# KiCad board MTMatrixV3.kicad_pcb (continued)
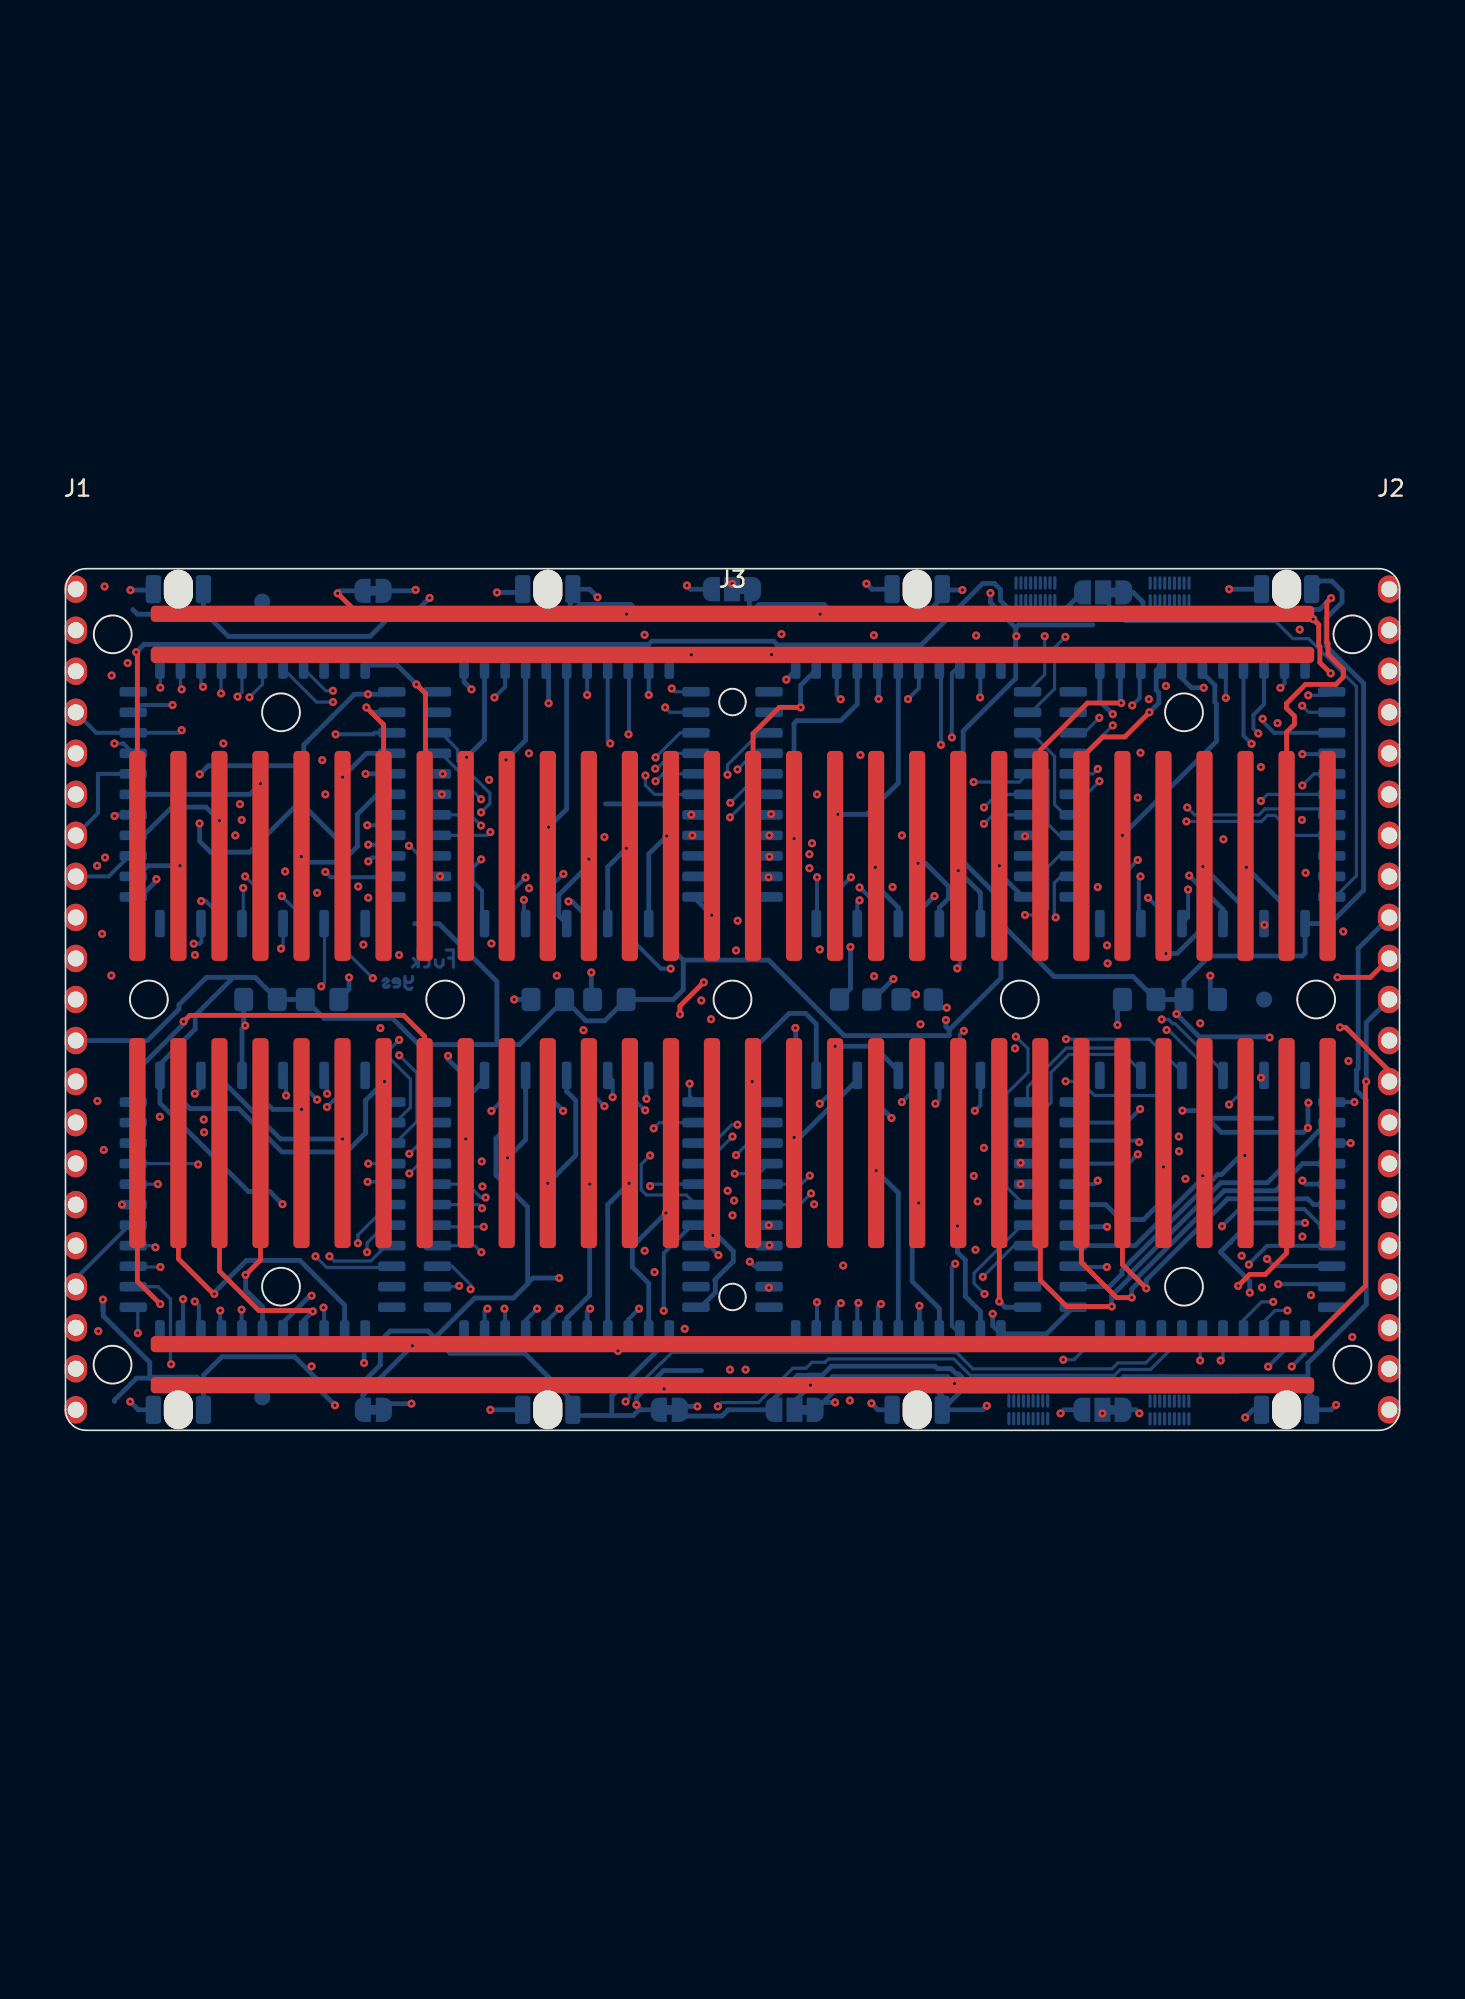
[diagram p0: board, top side]
## Routing (per net, layer and track width the routed paths; a pad name or vN(x,y) marks a point on that pad's centre or on a via; arc(x,y) is an arc through that point) (continued)
7: length 11.3
  Top w0.3: J3.7 19.68,43.68 v1(18.62,44.75)
  Bottom w0.3: A.19 18.92,44.45 v1(18.62,44.75)
8: length 14.5
  Top w0.3: J3.8 22.28,35.61 22.28,45.62 v1(21.72,46.18)
  Bottom w0.3: A.17 20.52,47.37 v1(21.72,46.18)
9: length 12.3
  Top w0.3: v1(24.82,41.66) 24.82,35.62 J3.9
  Bottom w0.3: B.41 25.93,42.77 v1(24.82,41.66)
10: length 12.3
  Top w0.3: v1(27.25,41.5) 27.25,35.61 J3.10
  Bottom w0.3: B.43 28.47,42.72 v1(27.25,41.5)
11: length 12.3
  Top w0.3: J3.11 29.9,35.61 v1(29.9,37.34)
  Bottom w0.3: v1(29.9,37.34) 31.01,38.46 B.1
12: length 5.2
  Top w0.3: v1(32.39,35.36) J3.12
  Bottom w0.3: v1(32.39,35.36) 32.39,35 30.53,33.14 30.53,31.86 B.23
13: length 5.7
  Top w0.3: J3.13 34.71,35.78 v1(34.71,36.03)
  Bottom w0.3: B.21 33.55,34.88 v1(34.71,36.03)
14: length 7.2
  Top w0.3: J3.14 37.2,35.82 v1(37.2,36.79)
  Bottom w0.3: B.19 36.09,35.68 v1(37.2,36.79)
15: length 5.2
  Top w0.3: J3.15 39.95,35.51 39.95,31.93 v1(39.99,31.89)
  Bottom w0.3: v1(39.99,31.89) 39.01,32.87 B.17
16: length 14.2
  Top w0.3: v1(45.49,44.75) 44.17,44.75 42.55,43.13 J3.16
  Bottom w0.3: v1(45.49,44.75) 45.49,46.12 46.46,47.08 C.41
17: length 15
  Top w0.3: v1(45.08,36.63) J3.17
  Bottom w0.3: C.43 49,44.95 47.98,43.93 45.26,43.93 45.08,43.76 v1(45.08,36.63)
18: length 14.5
  Top w0.3: v1(47.8,38.13) 47.62,37.96 J3.18
  Bottom w0.3: v1(47.8,38.13) 49.59,38.13 51.54,40.07 C.1
19: length 4.8
  Top w0.3: J3.19 50.11,35.51 v1(50.11,34.85)
  Bottom w0.3: C.23 51.54,32.36 50.11,33.78 v1(50.11,34.85)
20: length 5.5
  Top w0.3: J3.20 52.76,35.51 v1(52.76,35.1)
  Bottom w0.3: v1(52.76,35.1) 53.21,35.1 54.64,33.68 54.64,32.92 54.08,32.36 C.21
21: length 4.8
  Top w0.3: v1(55.24,34.65) J3.21
  Bottom w0.3: C.19 56.62,33.27 v1(55.24,34.65)
22: length 3.4
  Top w0.3: v1(57.79,34.95) J3.22
  Bottom w0.3: C.17 59.25,33.02 57.79,34.48 v1(57.79,34.95)
23: length 15.1
  Top w0.3: v1(65.33,45.03) 63.24,45.03 60.33,42.11 J3.23
  Bottom w0.3: v1(65.33,45.03) 65.28,45.08 65.28,47.37
24: length 14.8
  Top w0.3: v1(67.08,44.45) 65.55,42.93 64.19,42.93 62.86,41.61 J3.24
  Bottom w0.3: D.43 67.5,47.05 67.5,45.83 67.66,45.67 67.66,45.03 v1(67.08,44.45)
25: length 14.6
  Top w0.3: v1(65.4,36.83) J3.25
  Bottom w0.3: D.1 70.36,46.89 71.12,46.13 71.12,45.07 71.22,44.97 71.22,42.65 v1(65.4,36.83)
26: length 9.3
  Top w0.3: v1(68.1,29.51) 67.95,29.67 J3.26
  Bottom w0.3: v1(68.1,29.51) 68.79,29.51 70.36,31.08 D.23
27: length 5.3
  Top w0.3: J3.27 70.38,35.46 v1(70.38,34.9)
  Bottom w0.3: v1(70.38,34.9) 72.9,32.38 72.9,31.37
28: length 5.2
  Top w0.3: v1(73.08,34.85) 73.08,35.51 J3.28
  Bottom w0.3: D.19 75.44,32.49 v1(73.08,34.85)
29: length 33.5
  Top w0.3: J3.29 75.56,43.22 76.04,43.7 76.04,44.22 75.56,44.7 75.56,45.01 76.73,46.18 78.61,46.18 79.07,46.63 79.07,47.1 78.12,48.05 78.12,48.71 78.05,48.78 78.05,51.26 v1(78.32,51.52)
  Bottom w0.3: JP7.1 66.07,51.87 66.67,51.27 66.67,50.84 67,50.52 76.67,50.52 76.97,50.82 77.61,50.82 v1(78.32,51.52)
29_jumper: length 32.1
  Bottom w0.2: D.17 78.57,33.02 79.88,34.33 79.88,46.05 76.92,49.01 75.95,49.01 74.89,50.07 65.59,50.07 64.22,51.45 JP7.2
33: length 74.9
  Top w0.3: J3.33 4.45,9.23 v1(5.86,7.82)
  In2.Cu w0.3: v1(61.58,1.05) 61.45,0.92 55.9,0.92 53.27,3.55 50.89,3.55 49.28,1.93 49.28,1.73 48.42,0.87 34.2,0.87 31.68,3.4 24.14,3.4 21.67,0.93 12.75,0.93 v1(5.86,7.82)
  Bottom w0.3: JP5.3 61.8,1.27 v1(61.58,1.05)
34: length 22.2
  Top w0.3: v1(9.2,8.45) 9.16,8.45 6.98,10.62 J3.34
  Bottom w0.3: E.41 17.27,7.75 14.5,10.52 11.19,10.52 9.2,8.53 v1(9.2,8.45)
35: length 16.4
  Top w0.3: v1(15.31,7.36) 15.25,7.42 11.96,7.42 9.52,9.86 J3.35
  Bottom w0.3: E.43 14.73,6.79 v1(15.31,7.36)
36: length 12.6
  Top w0.3: J3.36 12.06,10.54 v1(11.15,9.62)
  Bottom w0.3: v1(11.15,9.62) 11.15,8.69 12.19,7.65 E.1
37: length 6.2
  Top w0.3: v1(14.61,19.86) J3.37
  Bottom w0.3: E.23 12.19,20.5 12.83,19.86 v1(14.61,19.86)
38: length 9.5
  Top w0.3: v1(17.14,18.03) J3.38
  Bottom w0.3: v1(17.14,18.03) 13.3,18.03 9.65,21.68 E.21
39: length 22.3
  Top w0.3: v1(19.74,21.59) 19.74,17.83 J3.39
  Bottom w0.3: 7.11,21.97 7.11,20.5 7.7,19.91 10.71,19.91 13.4,17.23 17.39,17.23 18.57,18.41 18.57,20.42 v1(19.74,21.59)
40: length 28.5
  Top w0.3: v1(7.31,25.31) 7.69,25.69 20.92,25.69 22.23,24.38 J3.40
  Bottom w0.3: v1(7.31,25.31) 7.31,25.16 4.19,22.05 E.17
41: length 4.7
  Top w0.3: v1(24.77,18.03) J3.41
  Bottom w0.3: F.41 25.93,21.68 24.77,20.51 v1(24.77,18.03)
42: length 6.5
  Top w0.3: v1(27.36,16.87) 27.36,17.73 J3.42
  Bottom w0.3: v1(27.36,16.87) 28.47,17.98 F.43
43: length 10.1
  Top w0.3: v1(29.84,15.29) J3.43
  Bottom w0.3: F.1 31.01,20.98 31.57,20.42 31.57,17.02 v1(29.84,15.29)
44: length 12.4
  Top w0.3: J3.44 32.44,17.73 v1(32.44,15.24)
  Bottom w0.3: v1(32.44,15.24) 32.44,8.36 31.01,6.94 F.23
45: length 12.4
  Top w0.3: J3.45 34.87,17.73 v1(34.87,15.29)
  Bottom w0.3: F.21 33.55,13.97 v1(34.87,15.29)
46: length 13.2
  Top w0.3: J3.46 37.41,17.73 37.41,13.72 v1(37.15,13.45)
  Bottom w0.3: v1(37.15,13.45) 35.08,11.38 35.08,10.11 36.09,9.09 F.19
47: length 12
  Top w0.3: J3.47 40.01,12.13 v1(40.07,12.06)
  Bottom w0.3: F.17 39.3,7.62 40.21,8.53 40.21,9.25 40.2,9.27 40.2,9.33 41.33,10.46 41.33,11.07 40.34,12.06 v1(40.07,12.06)
48: length 14.1
  Top w0.3: J3.48 42.55,21.54 v1(42.49,21.59)
  Bottom w0.3: v1(42.49,21.59) 42.49,23.52 44.78,25.81 45.8,25.81 46.46,25.15 G.41
49: length 6
  Top w0.3: v1(45.08,18.14) J3.49
  Bottom w0.3: v1(45.08,18.14) 45.45,18.14 49,21.68 G.43
50: length 10.8
  Top w0.3: v1(47.62,23.77) J3.50
  Bottom w0.3: G.1 51.54,22.26 50.02,23.77 v1(47.62,23.77)
51: length 12.4
  Top w0.3: v1(50.17,16.08) J3.51
  Bottom w0.3: G.23 51.54,14.7 v1(50.17,16.08)
52: length 12.7
  Top w0.3: J3.52 52.7,14.16 v1(52.8,14.07)
  Bottom w0.3: G.21 54.08,7.54 52.39,9.22 52.39,13.67 v1(52.8,14.07)
53: length 12.4
  Top w0.3: v1(55.19,12.65) 55.19,17.73 J3.53
  Bottom w0.3: v1(55.19,12.65) 55.19,11.02 55.68,10.53 55.68,8.3 56.62,7.37 G.19
54: length 11.7
  Top w0.3: v1(57.79,7.98) J3.54
  Bottom w0.3: v1(57.79,7.98) 58.14,7.62 G.17
55: length 32.5
  Top w0.3: J3.55 60.33,9.3 61.96,7.67 v1(64.74,7.67)
  Bottom w0.3: H.41 78.07,19.05 77.16,18.14 77.16,18.12 74.37,15.33 71.5,15.33 65.88,9.71 65.88,9.47 64.74,8.33 v1(64.74,7.67)
56: length 27.7
  Top w0.3: J3.56 62.86,10.39 65.04,8.21 v1(65.98,8.21)
  Bottom w0.3: H.43 76.55,16.51 74.87,14.83 71.71,14.83 66.38,9.5 66.38,9.14 65.98,8.74 v1(65.98,8.21)
57: length 23.8
  Top w0.3: v1(66.88,8.79) 65.4,10.26 J3.57
  Bottom w0.3: H.1 77.23,13.97 76.87,14.33 71.92,14.33 66.88,9.29 v1(66.88,8.79)
58: length 10
  Top w0.3: v1(67.95,16.31) J3.58
  Bottom w0.3: v1(67.95,16.31) 67.95,14.28 66.71,13.05 65.3,13.05 64.37,13.97 H.23
59: length 12
  Top w0.3: J3.59 70.48,15.87 v1(70.37,15.76)
  Bottom w0.3: v1(70.37,15.76) 70.37,15.62 66.19,11.43 H.21
60: length 14.9
  Top w0.3: v1(72.98,17.01) 73.02,17.05 J3.60
  Bottom w0.3: H.19 64.6,8.89 65.38,9.67 65.38,9.91 71.29,15.83 71.53,15.83 72.72,17.01 v1(72.98,17.01)
61: length 22.1
  Top w0.3: J3.61 75.56,10.97 74.24,9.65 73.28,9.65 v1(72.57,8.94)
  In2.Cu w0.3: v1(66.45,1.05) 66.45,2.83 v1(72.57,8.94)
  Bottom w0.3: v1(66.45,1.05) 66.23,1.27 JP5.1
61_jumper: length 7.6
  In2.Cu w0.2: v1(64.17,1.05) 64.17,2.1 61.9,4.37 v1(61.75,4.37)
  Bottom w0.2: v1(61.75,4.37) 62.41,4.37 H.17 ; v1(64.17,1.05) 64.17,1.05 JP5.2
/AB0: length 28.5
  In1.Cu w0.2: v1(25.71,38.25) 25.48,38.02 11.14,38.02 v1(10.91,37.79)
  In2.Cu w0.2: v1(11,33.58) 10.57,34.01 10.57,34.52 11.06,35.01 11.06,37.64 v1(10.91,37.79)
  Bottom w0.2: A.35 11,31.45 v1(11,33.58) ; B.37 23.23,43.18 24.27,42.14 24.27,41.44 26.26,39.44 26.26,38.8 v1(25.71,38.25)
/AB1: length 27.7
  In1.Cu w0.2: v1(10.8,38.76) 10.95,38.61 24.66,38.61 25.12,39.07 v1(25.71,39.07)
  In2.Cu w0.2: v1(10.8,38.76) 11.46,38.1 11.46,34.29 v1(11.12,34.29)
  Bottom w0.2: B.36 23.23,41.91 24.16,40.98 24.16,40.97 24.42,40.71 24.42,40.36 v1(25.71,39.07) ; A.34 12.19,33.21 v1(11.12,34.29)
/AC0: length 46.4
  In1.Cu w0.2: v1(41.5,29.71) 36.13,29.71 35.94,29.51 25.78,29.51 25.32,29.97 19.33,29.97 19.33,29.92 18.92,29.51 18.11,29.51 17.81,29.82 v1(13.33,29.82)
  In2.Cu w0.2: v1(41.5,29.71) 40.62,30.58 40.62,36.67 41.77,37.82 41.77,39.78 v1(40.97,40.59)
  Bottom w0.2: C.37 42.95,43.18 40.97,41.19 v1(40.97,40.59) ; A.33 13.46,29.95 v1(13.33,29.82)
/AC1: length 43.5
  In1.Cu w0.2: v1(13.39,33.07) 14.91,31.55 39.53,31.55 39.74,31.34 41.39,31.34 v1(41.6,31.55)
  In2.Cu w0.2: v1(41.59,40.91) 42.17,40.33 42.17,32.12 v1(41.6,31.55)
  Bottom w0.2: v1(41.59,40.91) 42.59,41.91 C.36 ; v1(13.39,33.07) 14.73,31.72 A.32
/AD0: length 60.4
  In1.Cu w0.2: v1(8.51,46.02) 8.92,46.44 9.88,46.44 9.98,46.54 14.32,46.54 16.71,44.15 39.83,44.15 40.21,43.76 42.43,43.76 42.82,44.15 63.94,44.15 v1(63.97,44.11)
  Bottom w0.2: A.9 8.38,46.15 v1(8.51,46.02) ; D.37 63.04,43.18 v1(63.97,44.11)
/AD1: length 61.6
  In1.Cu w0.2: v1(64.81,43.64) 64.65,43.48 42.72,43.48 42.6,43.36 40.05,43.36 39.77,43.64 16.66,43.64 14.15,46.14 10.15,46.14 v1(9.63,45.62)
  Bottom w0.2: v1(9.63,45.62) 9.63,47.34 A.10 ; v1(64.81,43.64) 63.08,41.91 D.36
/AE0: length 44
  In2.Cu w0.2: v1(10.64,45.42) 10.64,42.53 12.61,40.56 12.61,39.8 12.39,39.57 12.39,13.7 15.31,10.77 v1(15.47,10.77)
  Bottom w0.2: v1(10.64,45.42) 10.92,45.7 A.11 ; E.37 20.11,10.08 16.16,10.08 v1(15.47,10.77)
/AE1: length 43.8
  In2.Cu w0.2: v1(16.33,10.77) 13.65,13.45 13.2,13.45 12.79,13.86 12.79,39.41 13.01,39.64 13.01,40.73 11.39,42.36 v1(11.39,45.38)
  Bottom w0.2: v1(11.39,45.38) 12.19,46.19 A.12 ; E.36 19.84,11.43 18.89,10.48 16.62,10.48 v1(16.33,10.77)
/AF0: length 36.1
  In2.Cu w0.2: v1(21.28,17.12) 21.28,35.39 20.71,35.96 20.71,40.42 16.55,44.57 v1(16.55,45.08)
  Bottom w0.2: F.37 21.93,17.78 v1(21.28,17.12) ; A.13 13.46,47.15 15.53,45.08 v1(16.55,45.08)
/AF1: length 37.1
  In2.Cu w0.2: v1(16.55,45.78) 16.63,45.78 21.82,40.59 21.82,35.96 21.73,35.86 21.73,17.62 21.87,17.48 21.87,16.49 v1(21.28,15.9)
  Bottom w0.2: v1(16.55,45.78) 16.1,45.78 14.73,47.15 A.14 ; F.36 21.89,16.51 v1(21.28,15.9)
/AG0: length 41.3
  In1.Cu w0.2: v1(15.82,27.48) 16.24,27.06 20.33,27.06 21.26,27.99 24.14,27.99 26.07,26.06 37.55,26.06 37.8,26.31 38.25,26.31 39.11,25.45 v1(39.95,25.45)
  In2.Cu w0.2: v1(39.95,25.45) 40.37,25.02 40.37,18.16 v1(41.49,17.04)
  Bottom w0.2: A.31 16.03,31.34 16.03,27.69 v1(15.82,27.48) ; G.37 42.24,17.78 v1(41.49,17.04)
/AG1: length 39.3
  In1.Cu w0.2: v1(39.34,26.61) 38.74,27.22 25.59,27.22 24.42,28.39 21.09,28.39 20.69,27.99 v1(19.02,27.99)
  In2.Cu w0.2: v1(39.34,26.61) 39.39,26.57 39.39,22.6 39.97,22.02 39.97,17.33 v1(41.41,15.89)
  Bottom w0.2: v1(19.02,27.99) 17.27,29.73 A.30 ; v1(41.41,15.89) 42.91,15.89 G.36
/AH0: length 100.3
  In1.Cu w0.2: v1(5.84,19.41) 5.84,19.98 8.01,22.16 73.65,22.16 v1(73.98,21.83)
  In2.Cu w0.2: v1(5.84,19.41) 3.36,21.89 3.36,27.98 6.17,30.8 6.17,34.35 6.07,34.45 6.07,36.45 5.87,36.65 v1(5.87,45.97)
  Bottom w0.2: H.37 74.03,21.83 v1(73.98,21.83) ; A.7 5.87,47.34 v1(5.87,45.97)
/AH1: length 97.4
  In1.Cu w0.2: v1(72.01,20.17) 71.74,20.44 54.47,20.44 54.26,20.65 54.26,20.65 54.23,20.68 54.23,20.68 54.2,20.7 54.2,20.7 54.18,20.72 54.17,20.72 54.15,20.73 54.14,20.73 54.13,20.75 54.12,20.75 54.11,20.76 54.1,20.76 54.09,20.76 54.08,20.76 54.08,20.77 54.07,20.77 54.07,20.77 54.06,20.77 53.61,20.77 53.28,20.45 53.28,20.44 51.62,18.78 49.91,18.78 49.67,19.03 47.02,19.03 46.12,19.93 36.91,19.93 36.18,19.2 25.44,19.2 25.09,19.55 24.54,19.55 24.23,19.24 v1(8.55,19.24)
  In2.Cu w0.2: v1(8.55,19.24) 9.67,20.36 9.67,27.77 9.23,28.21 9.23,37.26 8.98,37.52 8.98,44.09 v1(7.19,45.87)
  Bottom w0.2: 72.9,21.97 72.9,21.06 v1(72.01,20.17) ; v1(7.19,45.87) 7.11,45.95 7.11,47.37
/BC0: length 22.4
  In1.Cu w0.2: v1(25.71,37.44) 27.45,39.18 38.39,39.18 38.44,39.23 39.09,39.23 39.48,38.84 v1(41.14,38.84)
  Bottom w0.2: v1(25.71,37.44) 25.05,38.1 B.33 ; C.35 42.94,40.64 v1(41.14,38.84)
/BC1: length 22.2
  In1.Cu w0.2: v1(41.12,37.95) 39.66,37.95 38.95,38.66 27.92,38.66 v1(26.29,37.03)
  Bottom w0.2: B.32 26.09,36.83 v1(26.29,37.03) ; v1(41.12,37.95) 42.55,39.37 C.34
/BD0: length 32.4
  In1.Cu w0.2: v1(36.52,41.66) 36.56,41.61 41.72,41.61 42.39,40.94 v1(63.88,40.94)
  Bottom w0.2: B.9 38.04,43.18 v1(36.52,41.66) ; D.35 63.58,40.64 v1(63.88,40.94)
/BD1: length 33.2
  In1.Cu w0.2: v1(63.98,40.18) 63.38,39.58 55.97,39.58 55.52,40.03 40.72,40.03 39.79,40.96 v1(36.5,40.96)
  Bottom w0.2: v1(36.5,40.96) 36.59,40.96 37.55,41.91 B.10 ; v1(63.98,40.18) 63.17,39.37 D.34
/BE0: length 55.1
  In1.Cu w0.2: v1(36.45,9.79) 35.5,9.79 34.92,10.38 19.31,10.38 v1(18.66,11.03)
  In2.Cu w0.2: v1(36.52,40.18) 36.56,40.14 36.56,21.89 36.92,21.52 36.92,18.98 37.12,18.78 37.12,14.26 37.93,13.45 36.94,12.47 36.94,10.28 v1(36.45,9.79)
  Bottom w0.2: B.11 36.97,40.64 v1(36.52,40.18) ; E.35 19.76,12.7 18.66,11.6 v1(18.66,11.03)
/BE1: length 55.6
  In1.Cu w0.2: v1(35.84,11.12) 35.37,11.58 v1(18.09,11.58)
  In2.Cu w0.2: v1(35.89,40.54) 35.89,37.51 36.16,37.24 36.16,21.72 36.5,21.38 36.5,19.57 35.44,18.52 35.44,11.51 v1(35.84,11.12)
  Bottom w0.2: E.34 19.98,13.97 18.09,12.09 v1(18.09,11.58) ; B.12 36.45,39.37 35.89,39.93 v1(35.89,40.54)
/BF0: length 43.8
  In1.Cu w0.2: v1(26,14.41) 26.12,14.29 36.29,14.29 36.83,14.83 v1(40.97,14.83)
  In2.Cu w0.2: v1(38.73,38.11) 37.87,37.25 37.87,36.27 38.05,36.09 38.05,26.51 38.57,25.98 38.57,22.28 39.17,21.69 39.17,16.63 v1(40.97,14.83)
  Bottom w0.2: F.35 24.88,15.24 25.71,14.41 v1(26,14.41) ; v1(38.73,38.11) 38.73,38.1 B.13
/BF1: length 43.2
  In1.Cu w0.2: v1(41.38,14.22) 37.78,14.22 37.59,14.42 36.98,14.42 36.31,13.75 v1(25.77,13.75)
  In2.Cu w0.2: v1(41.38,14.22) 41.88,14.73 41.28,15.34 41.19,15.34 39.57,16.95 39.57,21.85 38.97,22.45 38.97,26.15 38.79,26.34 v1(38.79,36.83)
  Bottom w0.2: v1(25.77,13.75) 25.55,13.97 F.34 ; B.14 v1(38.79,36.83)
/BG0: length 51
  In1.Cu w0.2: 21.41,36.07 21.57,35.91 29.2,35.91 29.43,35.68 30.26,35.68 30.49,35.91 34.12,35.91 34.16,35.87 34.16,35.8 34.48,35.48 34.55,35.48 34.56,35.47 42.74,35.47 43.33,36.06 45.64,36.06 v1(46.03,35.66)
  In2.Cu w0.2: v1(46.06,15.76) 46.06,18.17 45.19,19.04 45.19,24.16 45.71,24.68 45.71,28.75 45.28,29.19 45.28,33.32 45.41,33.45 45.41,35.04 v1(46.03,35.66)
  Bottom w0.2: B.31 21.92,35.56 21.41,36.07 ; v1(46.06,15.76) 45.53,15.24 G.35
  vias: v1(21.26,36.19)
/BG1: length 47.5
  In1.Cu w0.2: v1(46.03,34.8) 31.23,34.8 31.04,34.99 30.58,34.99 30.37,34.78 23.65,34.78 v1(23.17,34.3)
  In2.Cu w0.2: v1(46.03,34.8) 45.81,34.57 45.81,33.29 45.68,33.16 45.68,29.35 46.11,28.92 46.11,24.52 45.64,24.05 45.64,19.22 46.61,18.26 46.61,15.14 v1(46.14,14.67)
  Bottom w0.2: v1(46.14,14.67) 45.44,13.97 G.34 ; v1(23.17,34.3) 23.17,34.29 B.30
/BH0: length 59.6
  In1.Cu w0.2: v1(68.09,46.08) 64.62,46.08 64.46,45.92 43.4,45.92 42.52,46.8 40.02,46.8 39.14,45.92 v1(37.52,45.92)
  In2.Cu w0.2: v1(67.84,25.44) 67.84,29 67.55,29.29 67.55,29.79 67.96,30.2 67.96,43.07 67.62,43.4 67.62,45.61 v1(68.09,46.08)
  Bottom w0.2: v1(37.52,45.92) 37.72,45.72 B.7 ; v1(67.84,25.44) 68.26,25.44 68.53,25.17 68.67,25.17 71.63,22.21 H.35
/BH1: length 59.8
  In1.Cu w0.2: v1(67.04,45.26) 66.73,45.58 65.1,45.58 65.09,45.56 64.66,45.56 63.71,44.6 46.66,44.6 45.96,45.3 43.45,45.3 42.36,46.4 40.18,46.4 38.53,44.75 v1(37.11,44.75)
  In2.Cu w0.2: v1(68.14,24.78) 67.71,24.78 67.29,25.2 67.29,26.19 67.1,26.38 67.1,30.21 67.55,30.66 67.55,42.86 66.74,43.67 66.74,44.01 66.53,44.22 66.53,44.68 66.85,45 66.96,45 67.04,45.09 v1(67.04,45.26)
  Bottom w0.2: v1(68.14,24.78) 68.26,24.78 70.36,22.68 H.34 ; B.8 37.41,44.45 v1(37.11,44.75)
/CD0: length 6.7
  Bottom w0.2: D.33 61.85,38.1 61.21,38.74 61.21,41.72 59.75,43.18 C.9
/CD1: length 6.9
  Bottom w0.2: D.32 61.49,36.83 60.81,37.51 60.81,40.85 59.75,41.91 C.10
/CE0: length 69.2
  In1.Cu w0.2: v1(56.21,15.75) 56.13,15.67 50.69,15.67 50.55,15.53 46.6,15.53 46.29,15.22 41.76,15.22 41.64,15.34 41.19,15.34 40.63,15.89 28.25,15.89 27.87,15.51 27.04,15.51 26.66,15.89 26.61,15.89 26.4,16.1 22.26,16.1 21.5,15.33 18.74,15.33 v1(18.69,15.38)
  In2.Cu w0.2: v1(56.21,15.75) 55.72,16.23 55.72,24.09 56.15,24.51 56.15,24.94 55.83,25.26 55.83,25.29 55.73,25.39 55.73,28.57 55.78,28.62 55.78,28.64 55.83,28.7 55.83,35.49 55.56,35.75 55.56,39.5 v1(56.19,40.13)
  Bottom w0.2: v1(18.69,15.38) 20.05,15.38 E.33 ; v1(56.19,40.13) 59.03,40.13 C.11
/CE1: length 65.7
  In1.Cu w0.2: v1(56.83,17.48) 56.42,17.08 55.97,17.08 44.65,17.08 44.09,17.64 27.93,17.64 27.75,17.81 25.5,17.81 25.13,17.44 24.3,17.44 24.03,17.71 19.94,17.71 v1(18.74,16.51)
  In2.Cu w0.2: v1(56.83,17.48) 57.4,18.05 57.4,25.46 57.08,25.78 57.08,28.19 57.24,28.35 57.24,35.18 57.42,35.36 57.42,37.98 v1(56.84,38.56)
  Bottom w0.2: v1(56.84,38.56) 57.65,39.37 C.12 ; E.32 v1(18.74,16.51)
/CF0: length 62.4
  In1.Cu w0.2: v1(25.88,12.6) 26.04,12.75 35.85,12.75 36.29,12.31 39.52,12.31 40,12.8 40.46,12.8 40.95,12.31 42.36,12.31 43.3,13.25 55.53,13.25 v1(56.45,14.17)
  In2.Cu w0.2: v1(56.45,14.17) 57.23,14.95 57.23,15.54 56.26,16.51 56.26,17.73 57,18.47 57,25.3 56.68,25.62 56.68,37.38 v1(56.84,37.54)
  Bottom w0.2: v1(56.84,37.54) 57.39,38.1 C.13 ; v1(25.88,12.6) 23.11,12.6 F.33
/CF1: length 61.6
  In1.Cu w0.2: v1(25.73,11.02) 34.84,11.02 35.52,10.34 39.84,10.34 39.89,10.29 41.42,10.29 42.12,10.99 42.63,10.99 42.72,10.9 56.04,10.9 v1(56.31,11.18)
  In2.Cu w0.2: v1(56.31,11.18) 57.89,12.76 57.89,25.53 57.48,25.95 57.48,28.02 58.83,29.37 58.83,36.23 v1(59.38,36.78)
  Bottom w0.2: C.14 59.49,36.78 v1(59.38,36.78) ; v1(25.73,11.02) 25.32,11.43 F.32
/CG0: length 23.5
  In2.Cu w0.2: v1(43.56,35.51) 44.06,35.01 44.06,34.01 43.91,33.86 43.91,28.65 44.16,28.4 44.16,19.03 43.98,18.85 43.98,13.16 v1(43.52,12.7)
  Bottom w0.2: C.31 43.56,35.54 v1(43.56,35.51) ; G.33 v1(43.52,12.7)
/CG1: length 23.7
  In2.Cu w0.2: v1(43.51,34.24) 43.51,27.93 43.76,27.67 43.76,19.2 43.58,19.02 43.58,13.69 42.85,12.95 42.85,12.17 v1(43.56,11.46)
  Bottom w0.2: C.30 43.54,34.27 v1(43.51,34.24) ; G.32 43.56,11.45 v1(43.56,11.46)
/CH0: length 37.9
  In2.Cu w0.2: v1(61.92,24.22) 62.26,24.55 62.26,47.5 v1(60.59,49.16)
  Bottom w0.2: v1(60.59,49.16) 60.59,46.78 C.7 ; H.33 69.09,22.19 67.06,24.22 v1(61.92,24.22)
/CH1: length 41.4
  In2.Cu w0.2: v1(61.87,49.12) 62.65,48.34 62.65,22.37 v1(61.89,21.61)
  Bottom w0.2: C.8 59.75,44.45 61.21,45.91 61.21,48.45 v1(61.87,49.12) ; H.32 67.82,20.75 67.79,20.73 63.68,20.73 62.8,21.61 v1(61.89,21.61)
/DE0: length 111.6
  In1.Cu w0.2: v1(5.87,10.11) 6.12,10.36 13.94,10.36 15.21,9.09 22.83,9.09 23.84,8.08 35.72,8.08 35.78,8.02 37.99,8.02 39.32,6.7 39.32,6.52 39.34,6.5 60,6.5 60.61,7.12 70.18,7.12 71.04,7.97 73.98,7.97 74.51,8.5 74.96,8.5 75.1,8.37 v1(77.08,8.37)
  In2.Cu w0.2: v1(76.54,39.92) 75.96,39.34 75.96,34.57 76.13,34.41 76.13,30.54 74.78,29.18 74.78,24.83 76.96,22.65 76.96,21.01 77.46,20.51 77.46,16.36 77.68,16.14 77.68,8.97 v1(77.08,8.37)
  Bottom w0.2: v1(76.54,39.92) 77.26,40.64 D.11 ; v1(5.87,10.11) 4.24,10.11 E.9
/DE1: length 109.5
  In1.Cu w0.2: v1(74.04,8.84) 73.87,8.84 71.39,11.32 67.92,11.32 66,9.39 58.16,9.39 57.5,10.05 56.54,10.05 56.14,9.65 44.05,9.65 43.81,9.89 37.33,9.89 36.68,9.24 36.22,9.24 36.07,9.39 35.34,9.39 34.84,9.89 30.87,9.89 30.78,9.98 30.33,9.98 30.24,9.89 18.84,9.89 17.4,11.33 v1(5.56,11.33)
  In2.Cu w0.2: v1(74.04,8.84) 73.8,9.08 73.8,10.84 74.01,11.04 74.01,21.03 73.43,21.6 73.43,21.61 72.9,22.14 72.9,23.25 72.62,23.53 72.62,25.1 72.66,25.14 72.66,25.3 72.9,25.54 72.9,33.9 73.97,34.97 v1(73.97,38.96)
  Bottom w0.2: D.12 74.38,39.37 v1(73.97,38.96) ; v1(5.56,11.33) 5.46,11.43 E.10
/DF0: length 62.6
  In1.Cu w0.2: v1(68.89,18.19) 68.56,18.19 67.96,18.79 56.55,18.79 55.7,17.93 49.56,17.93 49.31,18.18 46.67,18.18 45.93,18.92 45.38,18.92 45.26,19.04 44.81,19.04 44.68,18.92 v1(41.58,18.92)
  In2.Cu w0.2: v1(69.42,38.56) 68.45,37.59 68.45,30.24 69.37,29.32 69.37,25.69 69.27,25.59 69.27,24.8 69.37,24.7 69.37,20.33 69.66,20.04 69.66,19.56 68.89,18.79 v1(68.89,18.19)
  Bottom w0.2: F.9 40.09,17.78 41.23,18.92 v1(41.58,18.92) ; D.13 77.99,38.47 74.22,38.47 73.85,38.1 69.88,38.1 v1(69.42,38.56)
/DF1: length 63.2
  In1.Cu w0.2: v1(68.91,17.27) 67.79,18.39 56.72,18.39 55.8,17.48 44.82,17.48 44.43,17.86 44.43,18.01 44.26,18.19 v1(41.27,18.19)
  In2.Cu w0.2: v1(69.37,37.69) 68.86,37.19 68.86,32.56 69.77,31.65 69.77,25.53 69.67,25.42 69.67,24.97 69.77,24.87 69.77,20.5 70.06,20.21 70.06,19.4 69.74,19.08 69.74,18.11 v1(68.91,17.27)
  Bottom w0.2: F.10 39.6,16.51 v1(41.27,18.19) ; v1(69.37,37.69) 74.01,37.69 74.39,38.07 74.84,38.07 76.08,36.83 D.14
/DG0: length 22
  In2.Cu w0.2: v1(59.38,31.9) 61.01,30.27 61.01,25.14 59.92,24.05 59.92,18.6 v1(59.11,17.78)
  Bottom w0.2: v1(59.38,31.9) 60.38,31.9 60.79,32.32 60.79,34.86 61.49,35.56 D.31 ; G.9 v1(59.11,17.78)
/DG1: length 20.5
  In2.Cu w0.2: v1(61.27,31.75) 61.8,31.23 61.8,25.2 61.34,24.74 61.34,18.85 59.11,16.61 v1(59.11,16.56)
  Bottom w0.2: v1(59.11,16.56) 59.16,16.51 G.10 ; v1(61.27,31.75) 61.19,31.84 61.19,33.88 61.59,34.29 D.30
/DH0: length 47.3
  In2.Cu w0.2: v1(75.62,7.42) 78.11,7.42 78.57,7.89 78.57,16.49 78.26,16.8 78.26,21.88 77.76,22.38 77.76,22.98 75.58,25.17 75.58,27.8 77.72,29.95 77.72,44.68 v1(76.9,45.5)
  Bottom w0.2: v1(75.62,7.42) 74.85,7.42 74.17,6.73 H.9 ; v1(76.9,45.5) 78.14,45.5 D.7
/DH1: length 47.9
  In2.Cu w0.2: v1(74.74,7.95) 74.75,7.97 75.84,7.97 75.99,7.82 77.71,7.82 78.08,8.19 78.08,15.27 78.17,15.36 78.17,16.06 78.08,16.15 78.08,16.34 77.86,16.56 77.86,20.67 77.36,21.17 77.36,22.81 75.18,25 75.18,27.96 75.59,28.38 75.59,28.73 77.27,30.41 77.27,34.26 77.29,34.28 77.29,44.09 v1(76.53,44.86)
  Bottom w0.2: v1(74.74,7.95) 74.02,7.95 72.9,6.83 72.9,5.97 ; D.8 76.94,44.45 v1(76.53,44.86)
/EF0: length 36
  In1.Cu w0.2: v1(36.18,15.12) 35.75,14.69 27.24,14.69 26.24,15.7 22.58,15.7 21.72,14.83 16.43,14.83 16.03,15.24 v1(5.71,15.24)
  Bottom w0.2: v1(5.71,15.24) E.13 ; v1(36.18,15.12) 36.3,15.24 F.11
/EF1: length 39.2
  In1.Cu w0.2: v1(8.2,16.46) 8.73,15.93 18.92,15.93 19.06,15.8 20.09,15.8 20.85,16.56 24.89,16.56 25.65,17.31 27.03,17.31 27.13,17.42 27.58,17.42 27.81,17.19 36,17.19 v1(36.18,17.02)
  Bottom w0.2: E.14 8.15,16.51 v1(8.2,16.46) ; v1(36.18,17.02) 35.63,16.47 35.63,14.89 35.95,14.57 38.42,14.57 F.12
/EG0: length 54.7
  In1.Cu w0.2: v1(20.65,23.22) 21.25,23.82 46.89,23.82 47.4,24.32 48.01,24.32 48.69,23.64 v1(58.76,23.64)
  In2.Cu w0.2: v1(59.11,15.24) 58.45,15.9 58.45,18.29 58.76,18.6 v1(58.76,23.64)
  Bottom w0.2: E.31 20.41,17.78 21.74,19.11 21.74,22.12 v1(20.65,23.22) ; v1(59.11,15.24) G.11
/EG1: length 57.1
  In1.Cu w0.2: v1(20.65,24.17) 20.7,24.22 46.73,24.22 47.23,24.72 48.17,24.72 48.72,24.18 58.62,24.18 v1(58.81,24.37)
  Bottom w0.2: v1(20.65,24.17) 20.08,23.6 20.08,23 21.34,21.75 21.34,19.98 20.41,19.05 E.30 ; v1(58.81,24.37) 59.56,23.62 59.56,22.16 58.25,20.85 58.25,15.04 59.32,13.97 G.12
/EH0: length 71.9
  In1.Cu w0.2: v1(4.48,6.02) 4.58,5.91 20.8,5.91 21.07,6.18 21.86,6.18 21.96,6.08 37.67,6.08 38.55,5.2 60.53,5.2 61.15,5.82 69.99,5.82 v1(71.48,4.32)
  Bottom w0.2: v1(4.48,6.02) 4.48,7.34 E.7 ; v1(71.48,4.32) 71.63,4.47 H.11
/EH1: length 73.9
  In1.Cu w0.2: v1(70.21,4.32) 69.12,5.42 61.31,5.42 60.7,4.8 38.38,4.8 37.5,5.68 21.79,5.68 21.69,5.78 21.24,5.78 20.91,5.46 7.91,5.46 v1(6.54,4.09)
  Bottom w0.2: v1(6.54,4.09) 6.49,4.13 6.49,8.13 5.73,8.89 E.8 ; H.12 70.21,5.83 v1(70.21,4.32)
/FG0: length 42.1
  In1.Cu w0.2: v1(25.07,8.73) 25.32,8.48 35.85,8.48 35.89,8.44 38.14,8.44 39.67,6.91 55.34,6.91 v1(56.87,8.44)
  Bottom w0.2: v1(56.87,8.44) 56.22,9.09 56.22,9.73 59.19,12.7 G.13 ; F.31 23.92,10.16 25.07,9.01 v1(25.07,8.73)
/FG1: length 38.1
  In1.Cu w0.2: v1(24.36,8.94) 24.7,9.28 29.72,9.28 30.12,8.88 36.02,8.88 36.06,8.84 36.84,8.84 37.49,9.49 43.64,9.49 43.88,9.25 56.52,9.25 v1(56.77,9.5)
  Bottom w0.2: v1(56.77,9.5) 58.7,11.43 G.14 ; v1(24.36,8.94) 24.31,8.89 F.30
/FH0: length 55.4
  In2.Cu w0.2: v1(38.62,21.46) 38.62,15.33 38.83,15.12 38.83,15.07 38.93,14.97 38.93,14.82 41.78,11.96 41.78,11.26 39.55,9.02 39.55,2.3 v1(40.36,1.48)
  Bottom w0.2: H.13 69.09,5.71 67.15,3.77 65.29,3.77 64.92,3.4 55.98,3.4 54.97,4.42 47.21,4.42 47,4.21 46.19,4.21 45.83,3.84 45.01,3.84 42.88,1.72 40.6,1.72 v1(40.36,1.48) ; v1(38.62,21.46) 38.62,20.71 F.7
/FH1: length 57.1
  In2.Cu w0.2: v1(34.66,1.78) 34.66,4.6 34.68,4.63 34.68,4.64 34.74,4.69 34.74,9.11 36.48,10.85 36.48,13.91 36.61,13.91 36.61,13.99 36.66,14.05 36.66,14.1 36.73,14.16 36.73,18.37 v1(36.4,18.69)
  Bottom w0.2: F.8 36.75,19.05 v1(36.4,18.69) ; v1(34.66,1.78) 34.88,2 34.88,2.2 36.83,4.15 36.86,4.15 37.53,4.82 55.13,4.82 56.15,3.8 64.76,3.8 65.12,4.17 66.85,4.17 67.82,5.14 H.14
/GH0: length 9.8
  Bottom w0.2: H.31 66.55,22.23 65.11,23.67 61.94,23.67 59.54,21.26 G.7
/GH1: length 9.7
  Bottom w0.2: G.8 59.75,19.05 60.99,20.28 60.99,22.15 62.1,23.27 64.95,23.27 65.28,22.94 65.28,21.97
AI: length 20.7
  In1.Cu w0.25: v1(7.93,30.12) 2.87,30.12 v1(2.26,30.73)
  In2.Cu w0.25: J1.14 1.45,19.05 2.55,20.15 2.55,27.63 2.26,27.92 2.26,30.73 v1(2.26,30.73)
  Bottom w0.25: A.37 8.41,31.34 8.41,30.23 8.31,30.12 v1(7.93,30.12)
AJ: length 92.8
  In1.Cu w0.25: v1(8.58,18.45) 8.73,18.61 35.67,18.61 36.16,18.12 36.75,18.12 38.14,19.51 45.95,19.51 46.85,18.6 49.49,18.6 49.74,18.36 55.52,18.36 56.38,19.21 76.5,19.21 76.67,19.38 81.58,19.38 J2.14
  In2.Cu w0.25: v1(8.4,32.77) 8.81,32.35 8.81,28.04 9.25,27.59 9.25,20.75 7.98,19.48 7.98,18.99 8.51,18.45 v1(8.58,18.45)
  Bottom w0.25: A.36 9.65,31.8 8.69,32.77 v1(8.4,32.77)
AX0: length 245.8
  In1.Cu w0.25: 36.12,49.9 36.11,49.9 4.76,49.9 v1(2.41,52.24) 2.24,52.07 J1.1 ; 36.12,49.9 35.83,49.62 v1(35.83,49.25) ; 36.12,49.9 56.27,49.9 ; v1(76.38,49.57) 62.8,49.57 62.46,49.9 56.27,49.9 ; 56.27,49.9 56.36,49.82 v1(56.36,49.2)
  In2.Cu w0.25: v1(2.41,52.24) 2.58,52.24 6.5,48.32 6.5,45.03 v1(6.62,44.9) 6.5,44.78 6.5,34.62 6.6,34.52 6.6,28.34 7.88,27.05 7.88,25.07 6.98,24.16 6.98,8.42 v1(7.27,8.12) ; v1(35.95,20.52) 35.73,20.74 35.73,37.07 35.32,37.48 35.32,40.78 35.41,40.88 35.41,44.85 v1(36.09,45.52) 36.09,48.99 v1(35.83,49.25) ; v1(76.38,49.57) 76.38,47.16 v1(75.18,45.96) 75.48,45.66 75.48,45.12 76.02,44.58 76.02,43.71 75.09,42.78 75.09,30.73 73.78,29.42 73.78,25.18 73.59,24.99 73.59,24.84 73.49,24.74 73.49,23.89 74.09,23.29 74.11,23.29 75.11,22.29 75.11,9.11 v1(75.05,9.05) ; v1(56.36,49.2) 56.67,48.89 56.67,45.44 v1(56.6,45.37) 56.77,45.2 56.77,39.3 56.04,38.57 56.04,35.89 56.25,35.67 56.25,28.52 56.2,28.47 56.2,25.51 56.25,25.46 56.25,25.44 56.57,25.12 56.57,20.08 v1(56.27,19.78)
  Bottom w0.25: v1(75.18,45.96) 75.44,46.22 D.5 ; B.5 v1(36.09,45.52) ; v1(35.95,20.52) 35.95,21.83 F.5 ; H.5 78.2,9.05 v1(75.05,9.05) ; v1(6.62,44.9) 4.64,44.9 A.5 ; v1(7.27,8.12) 7.27,6.13 7.11,5.97 ; C.5 56.62,45.39 v1(56.6,45.37) ; v1(56.27,19.78) 56.62,20.12 G.5
AX1: length 192.6
  In1.Cu w0.25: 28.68,33.63 30.56,33.63 ; 28.68,33.63 28.68,33.56 v1(28.68,33.56) ; 28.68,33.63 24.12,33.63 23.75,33.26 22.77,33.26 22.4,33.63 18.42,33.63 ; 30.56,33.63 30.92,33.99 31.86,33.99 32.22,33.63 v1(51.18,33.63) 51.65,34.09 54.25,34.09 54.71,33.63 69.32,33.63 v1(69.47,33.48) ; 30.56,33.63 30.81,33.88 v1(30.81,34.44) ; v1(18.11,33.66) 18.38,33.66 18.42,33.63 ; 18.42,33.63 16.03,33.63 15.06,34.59 v1(13.59,34.59) 12.66,35.52 2.51,35.52 v1(2.45,35.46)
  In2.Cu w0.25: v1(50.46,7.82) 51.69,9.05 51.69,19.57 50.66,20.6 50.66,28.58 51.18,29.1 v1(51.18,33.63) ; v1(13.65,20.72) 13.96,21.03 13.96,34.22 v1(13.59,34.59) ; J1.2 2.13,48.03 2.13,38.57 2.01,38.45 2.01,37.61 2.45,37.17 v1(2.45,35.46) ; v1(63.88,33.63) v1(63.88,15.46) ; v1(18.67,37.46) 17.71,36.5 17.71,34.07 v1(18.11,33.66) ; v1(28.68,33.56) 29.27,32.97 29.27,8.82 v1(30.56,7.53)
  Bottom w0.25: C.24 50.27,32.49 49.71,33.05 49.16,33.6 v1(49.14,33.6) ; G.24 50.27,7.63 v1(50.46,7.82) ; H.24 63.66,15.24 v1(63.88,15.46) ; v1(18.67,37.46) 19.55,37.46 A.24 ; v1(69.47,33.48) 69.47,31.75 D.24 ; B.24 29.74,33.38 v1(30.81,34.44) ; E.24 13.65,21.78 v1(13.65,20.72) ; F.24 29.74,6.71 v1(30.56,7.53)
AX2: length 183.8
  In1.Cu w0.25: v1(49.14,32.81) 49,32.95 49,32.97 ; 16.08,32.97 15.87,32.97 v1(15.57,33.27) ; 16.08,32.97 18.11,32.97 ; 16.08,32.97 14.45,32.97 13.78,33.65 13.15,33.65 12.49,32.99 9.32,32.99 8.81,33.49 3.41,33.49 v1(1.96,34.95) ; 49,32.97 32.25,32.97 31.45,32.17 29.28,32.17 28.47,32.97 ; 49,32.97 52.86,32.97 53.53,33.65 54.06,33.65 54.74,32.97 v1(67,32.97) ; 18.11,32.97 v1(18.74,32.97) ; 18.11,32.97 18.27,32.81 28.31,32.81 28.47,32.97 ; 28.47,32.97 28.47,32.95 v1(28.36,32.84)
  In2.Cu w0.25: v1(18.74,32.97) 18.74,34.33 18.16,34.9 18.16,35.68 v1(18.74,36.26) ; v1(15.57,20.47) 15.22,20.82 15.22,32.92 v1(15.57,33.27) ; J1.3 1.68,45.94 1.68,38.76 1.56,38.64 1.56,37.42 1.68,37.3 1.68,35.22 v1(1.96,34.95) ; v1(49.07,7.89) 49.15,7.97 49.15,28.41 50.05,29.31 50.05,31.9 v1(49.14,32.81) ; v1(28.36,32.84) 28.69,32.51 28.69,8.02 v1(29.19,7.53) ; v1(66.35,17.08) 66.36,17.08 66.54,17.27 66.68,17.27 67.02,17.6 67.02,17.66 67.53,18.17 67.53,20.31 66.92,20.91 66.88,20.91 66.86,20.93 66.86,25.84 66.67,26.03 66.67,30.39 67,30.71 v1(67,32.97)
  Bottom w0.25: v1(18.74,36.26) 19.62,36.26 A.25 ; v1(29.19,7.53) 28.47,6.82 F.25 ; G.25 49,7.82 v1(49.07,7.89) ; v1(49.14,32.81) 49,32.67 C.25 ; H.25 65.78,16.51 v1(66.35,17.08) ; D.25 67.82,32.15 v1(67,32.97) ; B.25 28.36,31.48 v1(28.36,32.84) ; v1(15.57,20.47) 14.73,21.31 E.25
AX3: length 214.6
  In1.Cu w0.25: v1(73.81,43.14) 72.58,43.14 71.89,42.45 70.71,42.45 70.29,42.04 68.06,42.04 67.09,43.01 54.97,43.01 v1(54.85,42.89) 54.69,43.06 42.9,43.06 42.78,42.94 39.87,42.94 39.68,43.13 34.88,43.13 v1(34.84,43.09) 34.82,43.11 17.43,43.11 17.29,42.96 17.29,42.85 16.95,42.51 10.82,42.51 10.23,43.11 7.43,43.11 v1(7.19,43.34)
  In2.Cu w0.25: v1(74.35,10.61) 74.65,10.9 74.65,21.98 74.06,22.56 74.06,22.63 73.83,22.86 73.83,22.92 73.04,23.71 73.04,24.93 73.14,25.03 73.14,25.18 73.33,25.37 73.33,33.67 74.64,34.99 74.64,42.31 v1(73.81,43.14) ; v1(7.19,43.34) 7.66,42.87 7.66,34.71 7.32,34.38 7.32,28.25 8.35,27.22 8.35,24.91 8.33,24.9 8.33,24.88 7.43,23.98 7.43,8.78 8,8.2 v1(8,7.98) ; v1(55.59,24.73) 55.3,25.01 55.3,26.2 54.61,26.9 54.61,28.84 54.85,29.08 54.85,34.23 54.67,34.41 54.67,35.54 54.85,35.72 v1(54.85,42.89) ; v1(34.84,43.09) 34.84,37.32 35.28,36.88 35.28,20.38 35.85,19.81 v1(35.87,19.81)
  Bottom w0.25: E.4 8.26,6.1 8.26,7.72 v1(8,7.98) ; C.4 54.85,46.87 v1(54.85,42.89) ; v1(34.84,43.09) 34.87,43.12 34.87,47.32 B.4 ; G.4 55.35,24.49 v1(55.59,24.73) ; F.4 34.82,20.83 35.85,19.81 v1(35.87,19.81) ; v1(74.35,10.61) 74.79,10.17 78.35,10.17 H.4 ; J1.4 1.91,43.18 A.4 7.02,43.18 v1(7.19,43.34) ; D.4 74.17,44.95 73.51,44.29 73.51,43.44 v1(73.81,43.14)
